# Altium PCB Tag_connect_otii_stlink_v02.PcbDoc
Units mm, origin at the board's own origin, x right, y up, seen from the top; angles counter-clockwise.
Board outline 75.85 x 70.65 mm, 2 copper layers (Top Layer, Bottom Layer); 34 components, 27 nets, 141 pads, 217 vias.
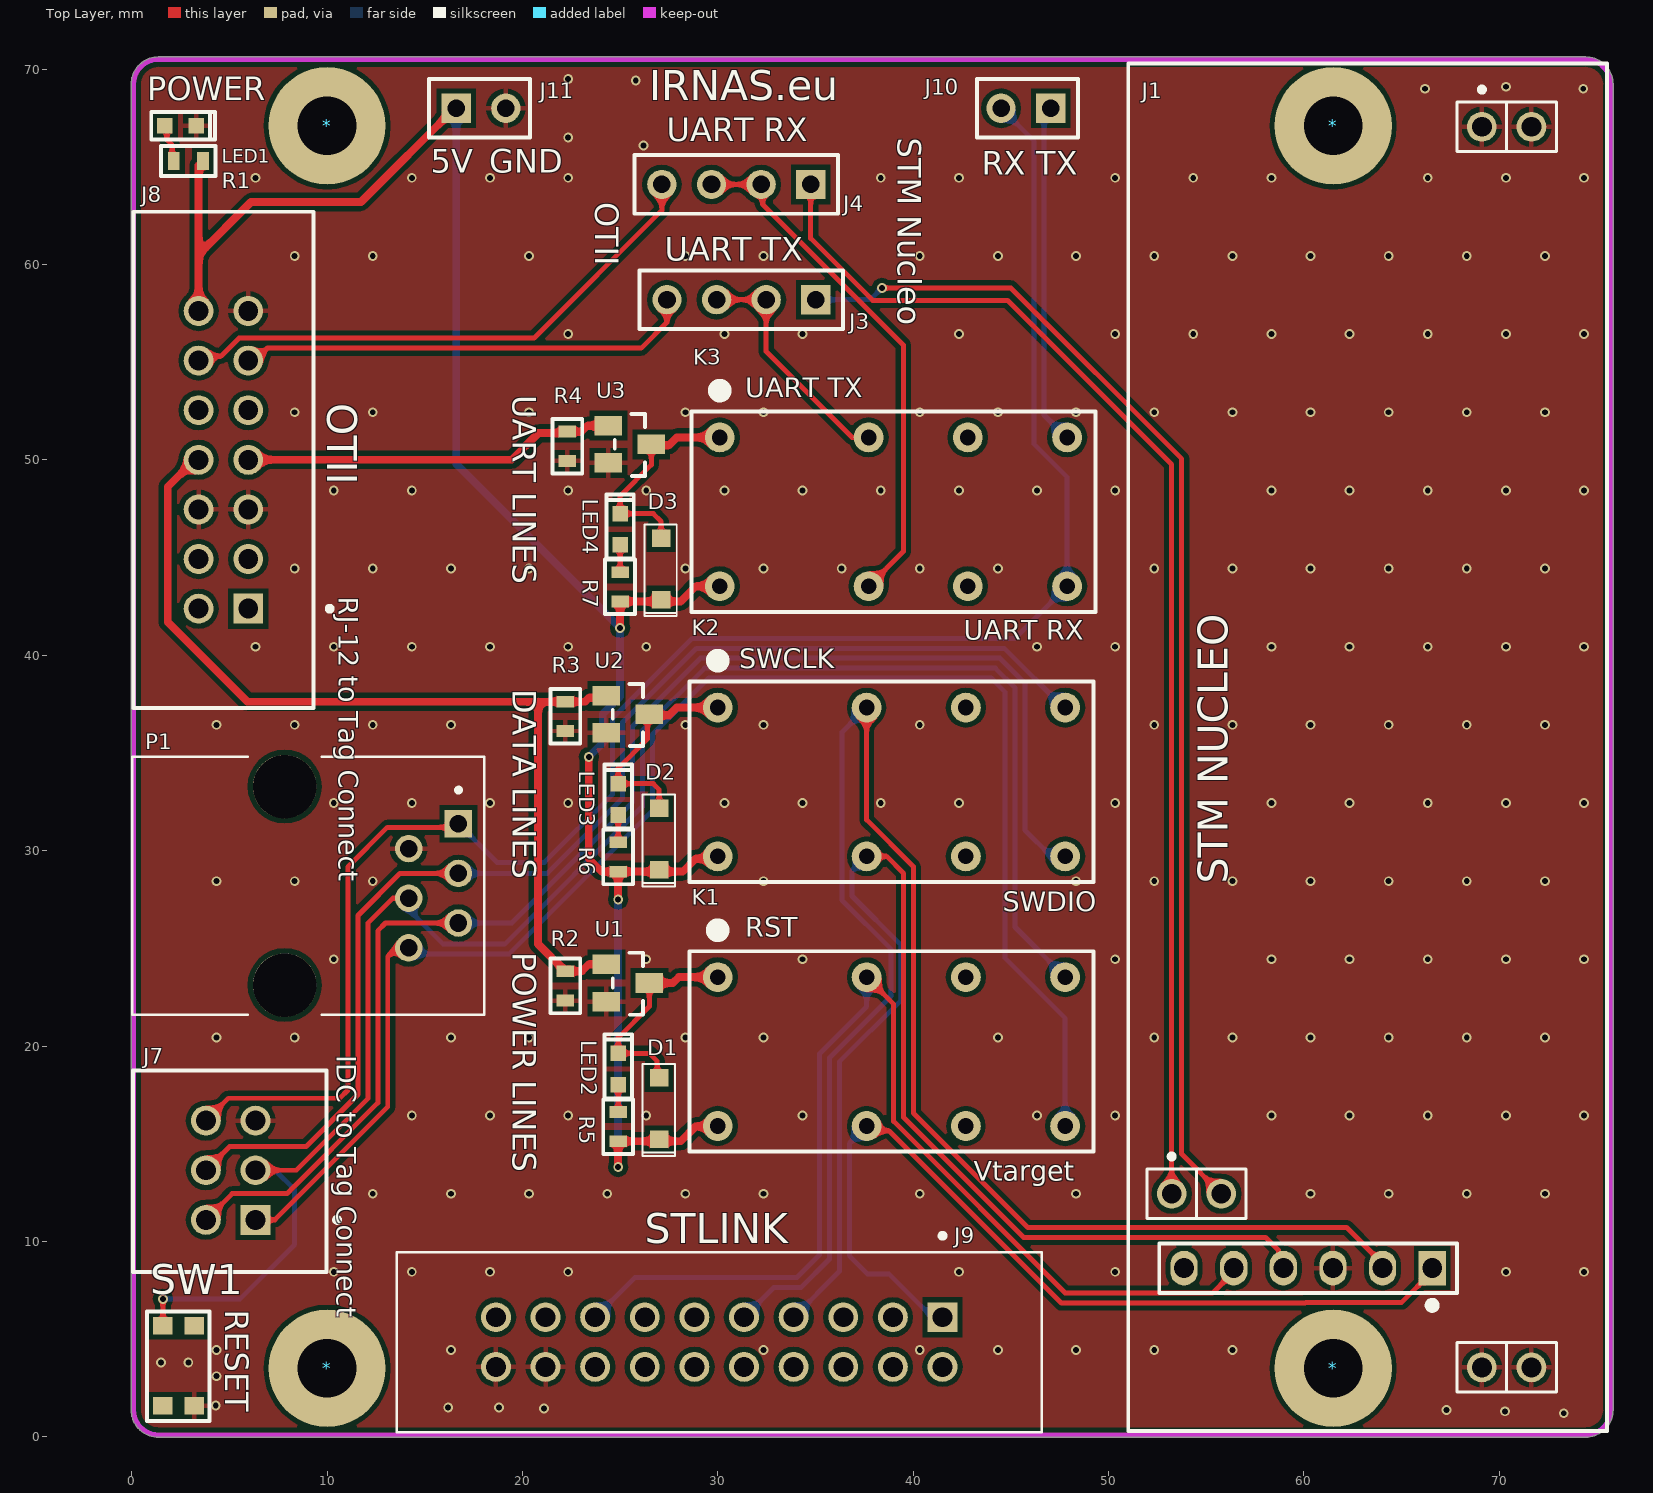
[diagram p0: Top Layer view]
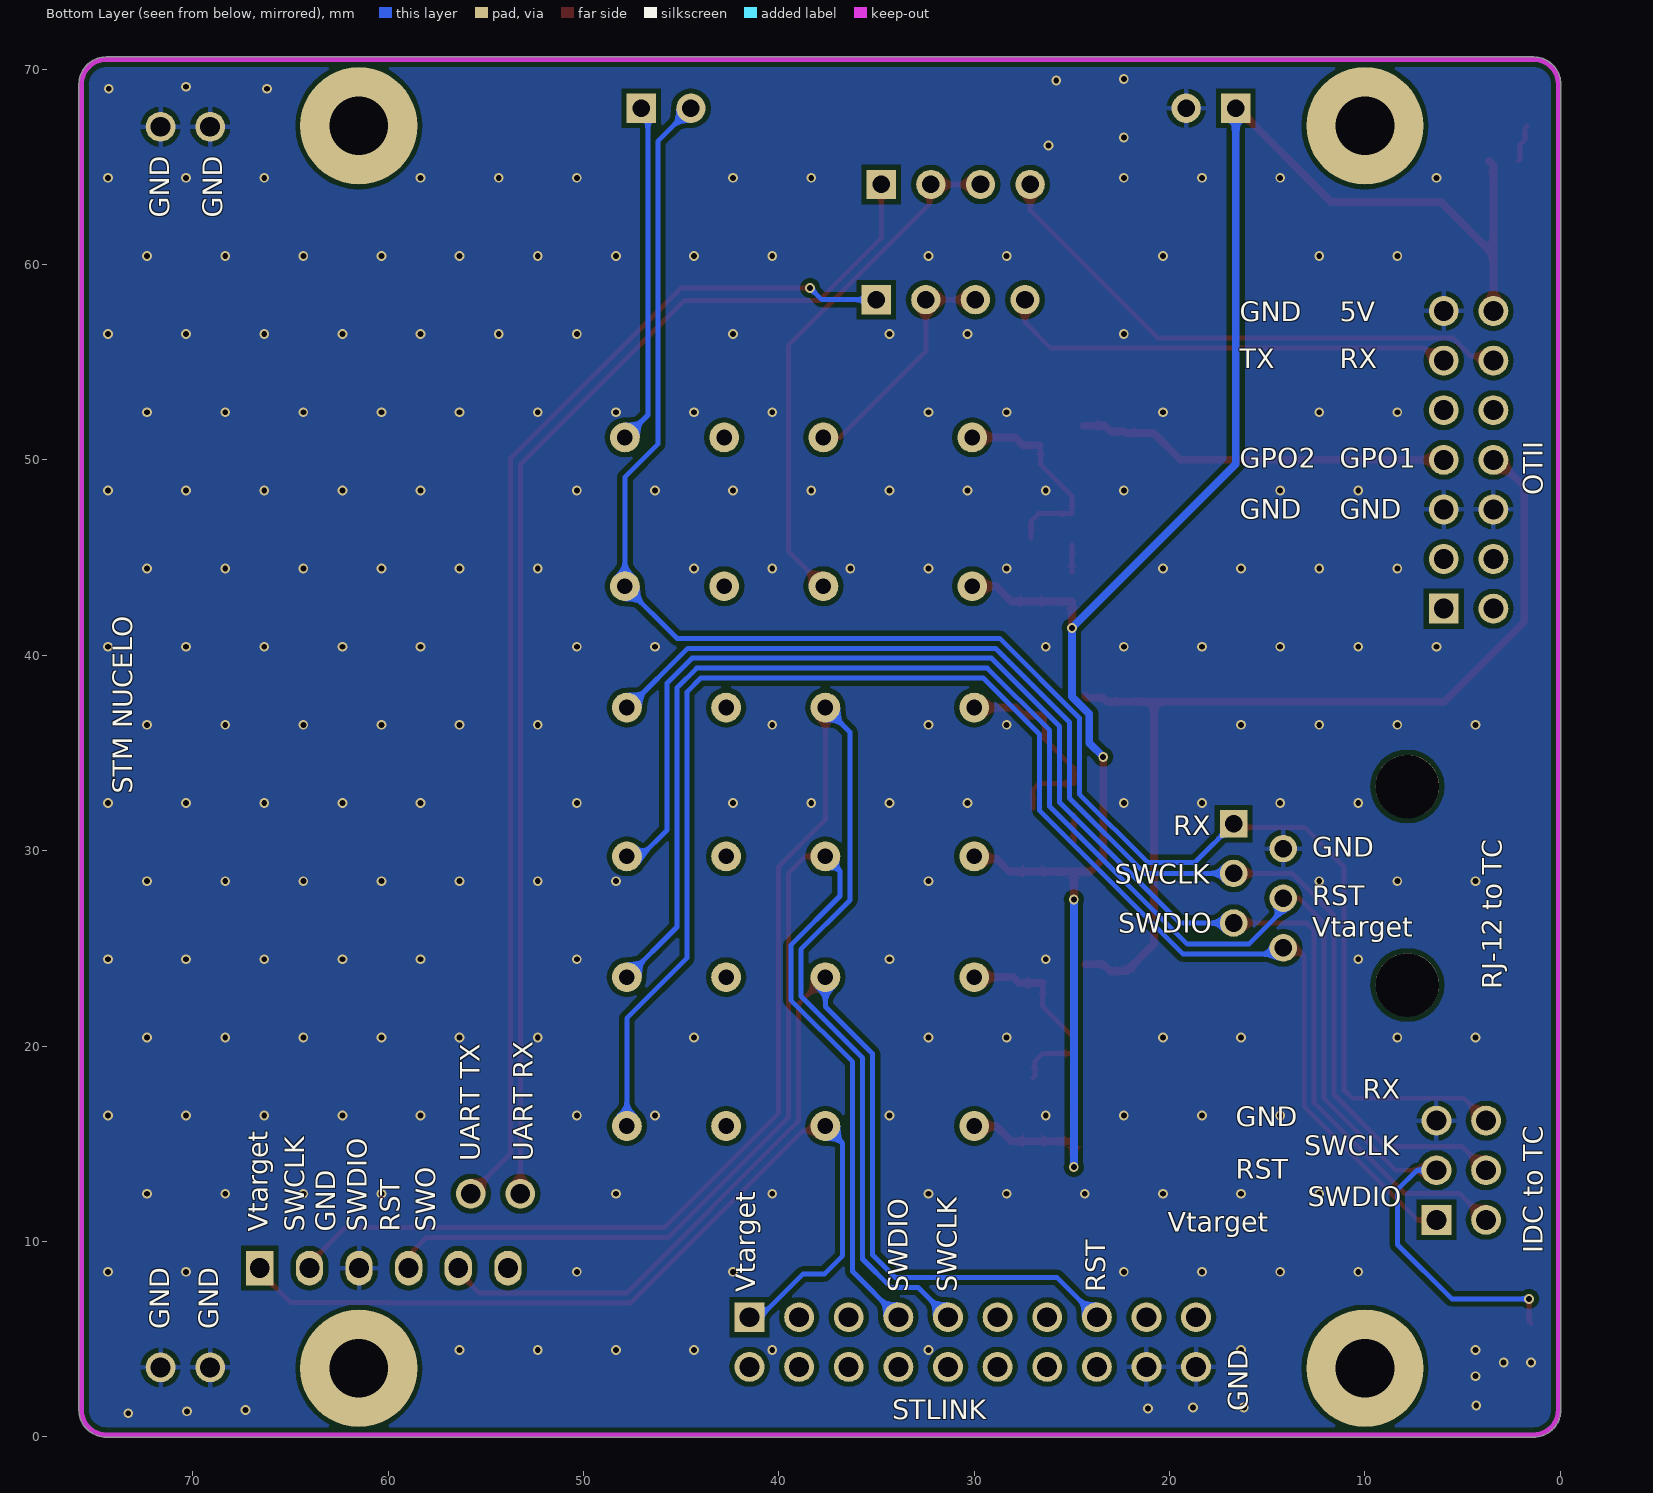
[diagram p1: Bottom Layer view, seen from below]

## Layer stack, top to bottom
Top Solder: solder mask 0.0102, Solder Resist, Dk 3.5
Top Layer: signal copper 0.0356
Dielectric 1: dielectric 0.32, FR-4, Dk 4.8
Bottom Layer: signal copper 0.0356
Bottom Solder: solder mask 0.0102, Solder Resist, Dk 3.5

## Board outline
-0.027,1.37 -0.027,69.23 cw(c1.37,69.23) 1.37,70.627 74.43,70.627 cw(c74.43,69.23) 75.827,69.23 75.827,1.37 cw(c74.43,1.37) 74.43,-0.027 1.37,-0.027 cw(c1.37,1.37)

## Design rules (kind name [scope] priority, off if disabled: settings)
Clearance [All] p1: gap=0.254 ignorepadtopadclearanceinfootprint=FALSE except(0: Arc-Hole Track-Hole SMDPad-Hole THPad-Hole Via-Hole Fill-Hole Poly-Hole Region-Hole Text-Hole)
ComponentClearance [All] p1: gap=0 collisioncheckmode=3 verticalgap=0 showdistances=FALSE
PolygonConnect [All] p1: thpad.connectstyle=Relief thpad.reliefconductorwidth=0.254 thpad.reliefentries=4 thpad.polygonreliefangle="90 Angle" thpad.airgapwidth=0.254 smdpad.connectstyle=Relief smdpad.reliefconductorwidth=0.254 smdpad.reliefentries=4 smdpad.polygonreliefangle="90 Angle" smdpad.airgapwidth=0.254 via.connectstyle=Direct via.reliefconductorwidth=0.254 via.reliefentries=4 via.polygonreliefangle="90 Angle" via.airgapwidth=0.254
RoutingVias [All] p1: holewidth=0.3 width=0.5 viastyle="Through Hole" minholewidth=0.3 minwidth=0.5 maxholewidth=0.3 maxwidth=0.5
SolderMaskExpansion [All] p1: expansion=0.102
Width [All] p1: maxlimit=0.254 minlimit=0.254 preferedwidth=0.254
29 further rules are at their usual default settings.

## Classes and differential pairs
component class "PAGE2 - STM NUCLEO OTII TC": * D1 D2 D3 J1 J4 J7 J8 J9 J10 J11 K1 K2 K3 LED1 LED2 LED3 LED4 P1 R1 R2 R3 R4 R5 R6 R7 SW1 U1 U2 U3

## Components (designator, comment, footprint, x,y, rotation, side; value= is the part's Value field where it differs from the comment)
* "Mounting hole 3.3 mm" MH_3.3#1 4,2.9 r0 top
* "Mounting hole 3.3 mm" MH_3.3#2 61.75,3.25 r0 top
* "Mounting hole 3.3 mm" MH_3.3#3 3.4,66.7 r0 top
* "Mounting hole 3.3 mm" MH_3.3#4 63.5,67.6 r0 top
D1 "1N4148W-7-F" 1N4148W-7-F 27,16.825 r90 top
D2 "1N4148W-7-F" 1N4148W-7-F 27,30.625 r90 top
D3 "1N4148W-7-F" 1N4148W-7-F 27.1,44.45 r90 top locked
J1 "STM Nucleo" "NUCLEO F4 HEADERS" 71.65,67.05 r270 top locked
J3 "Jumper" jumper4 35.02,58.2 r270 top
J4 "Jumper" jumper4 34.758,64.1 r270 top
J7 "IDC 6 pin" "IDC 6 pin" 5.07,13.64 r90 top
J8 "IDC 14 pin" "IDC 14 PIN" 4.695,50.005 r90 top
J9 "IDC 20 pin" "IDC 20 pin" 41.505,6.115 r180 top
J10 "2x1 header" "2 pin" 47.04,68 r270 top
J11 "2x1 header" "2 pin" 16.61,68 r90 top
K1 "G5V245DC" G5V245DC 38.89,19.715 r180 top
K2 "G5V245DC" G5V245DC 38.89,33.515 r180 top
K3 "G5V245DC" G5V245DC 38.99,47.34 r180 top locked
LED1 "GREEN" "LED 0603" 3.3,67.1 r180 top
LED2 "GREEN" "LED 0603" 24.9,19.625 r270 top
LED3 "GREEN" "LED 0603" 24.9,33.425 r270 top
LED4 "GREEN" "LED 0603" 25,47.25 r270 top locked
P1 "RJ12" RJ12 10.625,28.2 r270 top
R1 "220R" R0603 2.152,65.3 r0 top
R2 "100k" R0603 22.2,22.325 r90 top
R3 "100k" R0603 22.2,36.125 r90 top
R4 "100k" R0603 22.3,49.95 r90 top locked
R5 "220R" R0603 24.9,15.125 r90 top
R6 "220R" R0603 24.9,28.925 r90 top
R7 "220R" R0603 25,44.25 r270 top locked
SW1 "KMR211GLFS" Button 1.6,5.681 r270 top
U1 "BSS138" BSS138 25.4,23.225 r270 top
U2 "BSS138" BSS138 25.4,36.975 r270 top
U3 "BSS138" BSS138 25.5,50.8 r270 top locked

## Footprints (in the part's own frame and the unit in brackets; to place one, negate y for a bottom-side part, rotate by r counter-clockwise, add the part's x,y. Pads: shape width x height; smd on the part's side, far side on the other; paste and mask are expansions set on the pad)
1N4148W-7-F [mm]
  rect 0.9x0.95 smd: 1(-1.6,0) 2(1.55,0)
  silkscreen extent -2.45,-0.8 2.25,0.85, body extent -1.83,-0.8 1.88,0.8, height 1.27
"2 pin" [mm]
  rect 1.5x1.5 hole 0.9: 1(0,0)
  round 1.5 hole 0.9: 2(0,-2.54)
  silkscreen extent -1.5,-3.77 1.5,1.4, body extent -1.42,-3.77 1.5,1.31, height 8.51
BSS138 [mm]
  rect 1x1.4 smd: 1(-0.95,-1.1) 2(0.95,-1.1) 3(0,1.1)
  silkscreen extent -1.55,-0.77 1.63,0.78, body extent -1.42,-1.21 1.48,1.22, height 1.02
Button [mm]
  rect 0.9x1 smd: 1(0,0) 2(4.1,0) 3(4.1,1.6) 4(0,1.6)
  silkscreen extent -0.73,-0.82 4.87,2.38, body extent -0.25,-0.71 4.35,2.29, height 2.1
G5V245DC [mil]
  round 60 hole 31.5: 1(350,-150) 4(50,-150) 6(-150,-150) 8(-350,-150) 9(-350,150) 11(-150,150) 13(50,150) 16(350,150)
  silkscreen extent -407,-248 407,201, body extent -404,-197 403,196, height 453
"IDC 6 pin" [mm]
  rect 1.53x1.53 hole 1.02: 1(-2.54,-1.27)
  round 1.53 hole 1.02: 2(-2.54,1.27) 3(0,-1.27) 4(0,1.27) 5(2.54,-1.27) 6(2.54,1.27)
  silkscreen extent -5.2,-5.54 5.1,5, body extent -5.03,-4.88 4.94,4.87, height 10.95
"IDC 14 PIN" [mm]
  rect 1.53x1.53 hole 1.02: 1(-7.62,-1.27)
  round 1.53 hole 1.02: 2(-7.62,1.27) 3(-5.08,-1.27) 4(-5.08,1.27) 5(-2.54,-1.27) 6(-2.54,1.27) 7(0,-1.27) 8(0,1.27) 9(2.54,-1.27) 10(2.54,1.27) 11(5.08,-1.27) 12(5.08,1.27) 13(7.62,-1.27) 14(7.62,1.27)
  silkscreen extent -12.7,-5.54 12.7,4.61, body extent -12.7,-4.44 12.7,4.45, height 9.36
"IDC 20 pin" [mm]
  rect 1.53x1.53 hole 1.02: 1(0,0)
  round 1.53 hole 1.02: 2(0,2.54) 3(2.54,0) 4(2.54,2.54) 5(5.08,0) 6(5.08,2.54) 7(7.62,0) 8(7.62,2.54) 9(10.16,0) 10(10.16,2.54) 11(12.7,0) 12(12.7,2.54) 13(15.24,0) 14(15.24,2.54) 15(17.78,0) 16(17.78,2.54) 17(20.32,0) 18(20.32,2.54) 19(22.86,0) 20(22.86,2.54)
  silkscreen extent -5.08,-4.27 27.94,5.88, body extent -5.08,-3.3 27.94,5.92, height 9.1
jumper4 [mm]
  rect 1.5x1.5 hole 0.9: 1(0,0)
  round 1.5 hole 0.9: 2(0,-2.54) 3(0,-5.08) 4(0,-7.62)
  silkscreen extent -1.5,-9.03 1.5,1.4, body extent -1.46,-9.02 1.46,1.4, height 8.51
"LED 0603" [mm]
  rect 0.8x0.8 smd: 1(0,0) 2(1.6,0)
  silkscreen extent -0.98,-0.7 2.3,0.7, body extent -0.1,-0.4 1.6,0.4, height 0.65
MH_3.3#1 [mm]
  round 6 hole 3 unplated: 1(6,0.6)
MH_3.3#2 [mm]
  round 6 hole 3 unplated: 1(-0.25,0.25)
MH_3.3#3 [mm]
  round 6 hole 3 unplated: 1(6.6,0.4)
MH_3.3#4 [mm]
  round 6 hole 3 unplated: 1(-2,-0.5)
"NUCLEO F4 HEADERS" [mil]
  round 60 hole 40: 1(0,0) 2(0,-100) 3(2150,-625) 4(2150,-725) 11(2500,0) 12(2500,-100)
  rect 70x55 hole 40: 5(2300,-200)
  oval 70x55 hole 40: 6(2300,-300) 7(2300,-400) 8(2300,-500) 9(2300,-600) 10(2300,-700)
  silkscreen extent -128,-813 2628,152, body extent -126,-819 2630,203, height 404
R0603 [mm]
  rect 0.6x0.9 smd: 1(0,0) 2(1.5,0)
  silkscreen extent -0.65,-0.76 2.15,0.76, body extent -0.05,-0.43 1.55,0.41, height 0.7
RJ12 [mm]
  rect 1.408x1.408 hole 0.9: 1(-3.175,6.096)
  round 1.408 hole 0.9: 2(-1.905,3.556) 3(-0.635,6.096) 4(0.635,3.556) 5(1.905,6.096) 6(3.175,3.556)
  round 3.25 hole 3.25 unplated: None(-5.08,-2.794) None(5.08,-2.794)
  silkscreen extent -6.61,-10.59 6.61,7.43, body extent -6.61,-10.57 6.6,7.53, height 11.75

## Part data
* * * *: library part MH_3_3
D1 D2 D3: "DIODE GEN PURP 100V 300MA SOD123", Average Rectified Current=300mA, Capacitance=2pF, Current Rating=150mA, Forward Voltage=1.25V, Manufacturer=Diodes, Max Forward Surge Current (Ifsm)=2A, Max Operating Temperature=150°C, Max Repetitive Reverse Voltage (Vrrm)=100V, Min Operating Temperature=-65°C, Package Quantity=3000, Peak Reverse Current=1uA, Power Dissipation=400mW, Supplier Part Number 1=1776392, Voltage Rating (DC)=75V, ComponentLink1Description=https://www.diodes.com/assets/Datasheets/ds30086.pdf?src-supplier=Digi-Key, ComponentLink1URL=https://www.diodes.com/assets/Datasheets/ds30086.pdf?src-supplier=Digi-Key, ComponentLink2Description=http://www.farnell.com/datasheets/1915529.pdf?src-supplier=Element14, ComponentLink2URL=http://www.farnell.com/datasheets/1915529.pdf?src-supplier=Element14, ComponentLink3Description=https://www.diodes.com/assets/Datasheets/ds30086.pdf?src-supplier=Avnet, ComponentLink3URL=https://www.diodes.com/assets/Datasheets/ds30086.pdf?src-supplier=Avnet, ComponentLink4Description=http://www.mouser.com/ds/2/115/ds30086-60872.pdf?src-supplier=Mouser, ComponentLink4URL=http://www.mouser.com/ds/2/115/ds30086-60872.pdf?src-supplier=Mouser, ComponentLink5Description=https://www.diodes.com/assets/Datasheets/ds30086.pdf?src-supplier=Avnet+Europe, ComponentLink5URL=https://www.diodes.com/assets/Datasheets/ds30086.pdf?src-supplier=Avnet+Europe, ComponentLink6Description=https://www.diodes.com/assets/Datasheets/ds30086.pdf?src-supplier=Verical, ComponentLink6URL=https://www.diodes.com/assets/Datasheets/ds30086.pdf?src-supplier=Verical, Contact Plating=Tin,Matte, Element Configuration=Single, Forward Current=150mA, Height=1.25mm, Lead Free="Lead Free", Length=2.85mm, Manufacturer Part Number=1N4148W-7-F, Max Reverse Voltage (DC)=100V, Max Surge Current=2A, Mount="Surface Mount", Number of Pins=2, Output Current=150mA, Packaging="Tape and Reel", Peak Non-Repetitive Surge Current=2A, Polarity=Standard, Power Rating=400mW, Pricing 1="5=0.155, 25=0.151, 100=0.0525, 250=0.0496, 500=0.0474, 1000=0.0247, 5000=0.0213 (EUR)", Radiation Hardening=No, REACH SVHC="No SVHC", Recovery Time=4ns, Reverse Recovery Time=4ns, Stock 1=994731, Supplier 1=Farnell, Voltage=100V, Weight=0.000353oz, Width=1.7mm
J3 J4: library part Jumper_1, "4 pin jumper"
J7: library part 90130-1206, "Headers & Wire Housings 2.54MM CGRIDIII HDR 6P V DR SHRD AU-E", Color=Black, Contact Resistance=20mR, Current Rating=3A, Insulation Resistance=5GR, Manufacturer=Molex, Max Current Rating=3.9A, Max Operating Temperature=125°C, Max Voltage Rating (AC)=500V, Max Voltage Rating (DC)=350.35kV, Min Operating Temperature=-55°C, Package Quantity=2560, Supplier Part Number 1=9733884, Voltage Rating=350V, ComponentLink1Description=http://www.mouser.com/ds/2/276/0901301206_PCB_HEADERS-151694.pdf?src-supplier=Mouser, ComponentLink1URL=http://www.mouser.com/ds/2/276/0901301206_PCB_HEADERS-151694.pdf?src-supplier=Mouser, ComponentLink2Description=http://www.jameco.com/Jameco/Products/ProdDS/1978810.pdf?src-supplier=Jameco, ComponentLink2URL=http://www.jameco.com/Jameco/Products/ProdDS/1978810.pdf?src-supplier=Jameco, ComponentLink3Description=http://www.molex.com/webdocs/datasheets/pdf/en-us/0901301206_PCB_HEADERS.pdf?src-supplier=Avnet+Europe, ComponentLink3URL=http://www.molex.com/webdocs/datasheets/pdf/en-us/0901301206_PCB_HEADERS.pdf?src-supplier=Avnet+Europe, ComponentLink4Description=http://www.molex.com/webdocs/datasheets/pdf/en-us/0901301206_PCB_HEADERS.pdf?src-supplier=Avnet, ComponentLink4URL=http://www.molex.com/webdocs/datasheets/pdf/en-us/0901301206_PCB_HEADERS.pdf?src-supplier=Avnet, ComponentLink5Description=http://uk.rs-online.com/webdocs/13c4/0900766b813c4c7b.pdf?src-supplier=RSComponents, ComponentLink5URL=http://uk.rs-online.com/webdocs/13c4/0900766b813c4c7b.pdf?src-supplier=RSComponents, Contact Gender=Male, Contact Material=Brass,Bronze,Copper, Contact Plating=Gold, Depth=3.94mm, Gender=Male, Glow Wire Compliant=Non-compliant, Height=4.7mm, Housing Color=Black, Housing Material=Polyester, Lead Free="Lead Free", Lead Pitch=2.54mm, Length=8mm, Manufacturer Part Number=90130-1206, Material=Glass,Polyester, Mount="Through Hole", Number of Circuits=6, Number of Contacts=6, Number of Poles=6, Number of Positions=6, Number of Rows=2, Orientation=Vertical, Packaging=Tray, Pitch=2.54mm, Pricing 1="1=1.07, 50=1, 100=0.934, 250=0.84, 500=0.775, 1000=0.619 (EUR)", Radiation Hardening=No, REACH SVHC=Unknown, Row Spacing=2.54mm, Stock 1=1896, Supplier 1=Farnell, Termination=Solder, Voltage Rating (AC)=350V, Voltage Rating (DC)=350V, Working Voltage=350V
J8: library part 70246-1404, "Conn Shrouded Header (4 Sides) HDR 14 POS 2.54mm Solder ST Thru-Hole C-Grid® Frame", Current Rating=2.5A, Flammability Rating="UL94 V-0", Manufacturer=Molex, Max Operating Temperature=120°C, Max Voltage Rating (DC)=250V, Min Operating Temperature=-55°C, Supplier Part Number 1=1392520, ComponentLink1Description=http://www.farnell.com/datasheets/2051710.pdf?src-supplier=Element14, ComponentLink1URL=http://www.farnell.com/datasheets/2051710.pdf?src-supplier=Element14, ComponentLink2Description=http://www.molex.com/webdocs/datasheets/pdf/en-us/0702461404_PCB_HEADERS.pdf?src-supplier=Avnet, ComponentLink2URL=http://www.molex.com/webdocs/datasheets/pdf/en-us/0702461404_PCB_HEADERS.pdf?src-supplier=Avnet, ComponentLink3Description=http://uk.rs-online.com/webdocs/13c4/0900766b813c492f.pdf?src-supplier=RSComponents, ComponentLink3URL=http://uk.rs-online.com/webdocs/13c4/0900766b813c492f.pdf?src-supplier=RSComponents, ComponentLink4Description=http://www.mouser.com/ds/2/276/0702461404_PCB_HEADERS-172392.pdf?src-supplier=Mouser, ComponentLink4URL=http://www.mouser.com/ds/2/276/0702461404_PCB_HEADERS-172392.pdf?src-supplier=Mouser, ComponentLink5Description=http://www.molex.com/webdocs/datasheets/pdf/en-us/0702461404_PCB_HEADERS.pdf?src-supplier=Avnet+Europe, ComponentLink5URL=http://www.molex.com/webdocs/datasheets/pdf/en-us/0702461404_PCB_HEADERS.pdf?src-supplier=Avnet+Europe, Contact Gender=Male, Contact Material=Bronze,Gold, Contact Mating Length=6.1mm, Contact Plating=Gold,Tin, Contact Post Length=3.43mm, ELV=Compliant, Gender=Male, Glow Wire Compliant=Non-compliant, Housing Material=Polyester, Manufacturer Part Number=70246-1404, Mount="Through Hole", Number of Circuits=14, Number of Contacts=14, Number of Positions=14, Number of Rows=2, Orientation=Vertical, Packaging=Tray, Pitch=2.54mm, Pricing 1="1=1.55, 50=1.48, 100=1.42, 250=1.29, 500=1.17, 1000=0.966 (EUR)", Radiation Hardening=No, REACH SVHC=Unknown, Row Spacing=2.54mm, Stock 1=3001, Supplier 1=Farnell, Termination=Solder, Voltage Rating=250V, Voltage Rating (DC)=250V
J9: library part 70246-2004, "Headers & Wire Housings 2.54mm CGrid Hdr Shr d /Slt .13AuLF 20Ckt", Current Rating=2.5A, Flammability Rating="UL94 V-0", Manufacturer=Molex, Max Operating Temperature=120°C, Max Voltage Rating (DC)=250V, Min Operating Temperature=-55°C, Package Quantity=720, Supplier Part Number 1=1392410, ComponentLink1Description=http://www.farnell.com/datasheets/2051704.pdf?src-supplier=Element14, ComponentLink1URL=http://www.farnell.com/datasheets/2051704.pdf?src-supplier=Element14, ComponentLink2Description=http://www.mouser.com/ds/2/276/0702462004_PCB_HEADERS-150189.pdf?src-supplier=Mouser, ComponentLink2URL=http://www.mouser.com/ds/2/276/0702462004_PCB_HEADERS-150189.pdf?src-supplier=Mouser, ComponentLink3Description=http://www.molex.com/webdocs/datasheets/pdf/en-us/0702462004_PCB_HEADERS.pdf?src-supplier=Avnet+Europe, ComponentLink3URL=http://www.molex.com/webdocs/datasheets/pdf/en-us/0702462004_PCB_HEADERS.pdf?src-supplier=Avnet+Europe, ComponentLink4Description=http://www.molex.com/webdocs/datasheets/pdf/en-us/0702462004_PCB_HEADERS.pdf?src-supplier=Avnet, ComponentLink4URL=http://www.molex.com/webdocs/datasheets/pdf/en-us/0702462004_PCB_HEADERS.pdf?src-supplier=Avnet, ComponentLink5Description=http://uk.rs-online.com/webdocs/13c4/0900766b813c4938.pdf?src-supplier=RSComponents, ComponentLink5URL=http://uk.rs-online.com/webdocs/13c4/0900766b813c4938.pdf?src-supplier=RSComponents, Contact Material=Gold,Bronze, Contact Plating=Gold, ELV=Compliant, Gender=Male, Glow Wire Compliant=Non-compliant, Manufacturer Part Number=70246-2004, Mount="Through Hole", Number of Circuits=20, Number of Contacts=20, Number of Positions=20, Number of Rows=2, Orientation=Vertical, Packaging=Tray, Pitch=2.54mm, Pricing 1="1=1.62, 50=1.52, 100=1.41, 250=1.28, 500=1.17, 1000=0.943 (EUR)", Radiation Hardening=No, REACH SVHC=Unknown, Stock 1=2985, Supplier 1=Farnell, Termination=Solder, Voltage Rating=250V, Voltage Rating (DC)=250V
J10 J11: library part "2 pin header"
K1 K2 K3: "OMRON ELECTRONIC COMPONENTS         G5V-2 4.5DC            Signal Relay, G5V-2 Series, DPDT, 4.5 VDC, 2 A, Through Hole, Non Latching", Coil Power=500mW, Coil Resistance=40R, Coil Voltage (DC)=4.5V, Contact Current Rating=2A, Manufacturer=Omron, Max Operating Temperature=65°C, Min Operating Temperature=-25°C, Supplier Part Number 1=9949810, Coil Type=Non-Latching, ComponentLink1Description=http://www.farnell.com/datasheets/724502.pdf?src-supplier=Element14, ComponentLink1URL=http://www.farnell.com/datasheets/724502.pdf?src-supplier=Element14, ComponentLink2Description=https://www.distrelec.biz/Web/Downloads/_t/ds/g5v2_eng_tds.pdf?mime=application%2Fpdf&src-supplier=Distrelec, ComponentLink2URL=https://www.distrelec.biz/Web/Downloads/_t/ds/g5v2_eng_tds.pdf?mime=application%2Fpdf&src-supplier=Distrelec, Contact Material=Silver,Gold, Depth=10.1mm, Height=11.5mm, Length=20.5mm, Manufacturer Part Number=G5V245DC, Mount=PCB, Pricing 1="1=1.89, 25=1.76, 50=1.24, 250=1.14, 500=1.12 (EUR)", REACH SVHC=Unknown, Stock 1=337, Supplier 1=Farnell, Switching Current=2A, Termination="Through Hole"
LED1 LED2 LED3 LED4: library part KP-1608CGCK, "KINGBRIGHT - KP-1608CGCK - LED, 0603, 50MCD, GREEN", Case/Package=1608, Color=Green, Forward Current=20mA, Forward Voltage=2.1V, Lens Color=Clear, Manufacturer=Kingbright, Supplier Part Number 1=2290328, ComponentLink1Description=http://www.farnell.com/datasheets/2045956.pdf?src-supplier=Element14, ComponentLink1URL=http://www.farnell.com/datasheets/2045956.pdf?src-supplier=Element14, ComponentLink2Description=http://www.rapidonline.com/pdf/72-8670.pdf?src-supplier=Rapid+Electronics, ComponentLink2URL=http://www.rapidonline.com/pdf/72-8670.pdf?src-supplier=Rapid+Electronics, Dominant Wavelength=570nm, Height=1.1mm, Length=0.8mm, Lens Style=Rectangular,Diffused,Colorless, Luminous Intensity=50mcd, Manufacturer Part Number=KP-1608CGCK, Mount="Surface Mount", Number of LEDs=1, Number of Pins=2, Packaging="Tape and Reel", Pricing 1="5=0.157, 50=0.143, 100=0.0934, 500=0.0789, 1000=0.0621 (EUR)", Radiation Hardening=No, REACH SVHC="No SVHC", Stock 1=18535, Supplier 1=Farnell, Viewing Angle=120°, Wavelength=570nm, Width=1.6mm
P1: library part 95501-2661, "MODULAR, JACK, THT, R/A, RJ11, 6P6C", Color=Black, Current Rating=1.5A, Flammability Rating="UL94 V-0", Insulation Resistance=500MR, Manufacturer=Molex, Max Operating Temperature=80°C, Max Voltage Rating (DC)=125V, Min Operating Temperature=-40°C, Package Quantity=3276, Supplier Part Number 1=1536490, Approvals=UL, ComponentLink1Description=http://uk.rs-online.com/webdocs/13c4/0900766b813c4eac.pdf?src-supplier=RSComponents, ComponentLink1URL=http://uk.rs-online.com/webdocs/13c4/0900766b813c4eac.pdf?src-supplier=RSComponents, ComponentLink2Description=http://www.farnell.com/cad/1597654.pdf?src-supplier=Element14, ComponentLink2URL=http://www.farnell.com/cad/1597654.pdf?src-supplier=Element14, ComponentLink3Description=http://www.mouser.com/ds/2/276/0955012661_MODULAR_JACKS_PLUG-177638.pdf?src-supplier=Mouser, ComponentLink3URL=http://www.mouser.com/ds/2/276/0955012661_MODULAR_JACKS_PLUG-177638.pdf?src-supplier=Mouser, ComponentLink4Description=http://www.onlinecomponents.com/productFiles/mf-MOL/360890955012661_modular_jacks_plug.pdf?src-supplier=Onlinecomponents.com, ComponentLink4URL=http://www.onlinecomponents.com/productFiles/mf-MOL/360890955012661_modular_jacks_plug.pdf?src-supplier=Onlinecomponents.com, Contact Material="Copper Alloy,Bronze", Contact Plating=Gold, Depth=18.1mm, Gender=Female, Halogen Free="Low Halogen", Housing Material=Thermoplastic, Insulation Material=Polyester, Lead Free="Lead Free", Length=13.21mm, Manufacturer Part Number=95501-2661, Mount="Through Hole", Number of Contacts=6, Number of Ports=1, Number of Positions=6, Orientation="Right Angle", Packaging=Tray, Pitch=2.54mm, Pricing 1="10=0.565, 100=0.492, 500=0.443, 1000=0.394, 2500=0.356, 5000=0.344 (EUR)", REACH SVHC=Unknown, Shielding=Unshielded, Stock 1=7441, Supplier 1=Farnell, Termination="Through Hole", Voltage Rating (DC)=125V, Width=11.5mm
R1 R5 R6 R7: library part CRCW0603220RFKEA, "RES SMD 220 OHM 1% 1/10W 0603", Case/Package=0603, Case Code (Metric)=1608, Manufacturer=Vishay, Max Operating Temperature=155°C, Max Power Dissipation=100mW, Min Operating Temperature=-55°C, Package Quantity=10, Supplier Part Number 1=541-220HTR-ND, Temperature Coefficient=100ppm/°C, Tolerance=1%, Voltage Rating=75V, Case Code (Imperial)=0603, ComponentLink1Description=http://www.vishay.com/docs/20035/dcrcwe3.pdf?src-supplier=Digi-Key, ComponentLink1URL=http://www.vishay.com/docs/20035/dcrcwe3.pdf?src-supplier=Digi-Key, ComponentLink2Description=http://www.mouser.com/ds/2/427/dcrcwe3-109170.pdf?src-supplier=Mouser, ComponentLink2URL=http://www.mouser.com/ds/2/427/dcrcwe3-109170.pdf?src-supplier=Mouser, ComponentLink3Description=http://www.farnell.com/datasheets/2045673.pdf?src-supplier=Element14, ComponentLink3URL=http://www.farnell.com/datasheets/2045673.pdf?src-supplier=Element14, ComponentLink4Description=http://www.vishay.com/docs/20035/dcrcwe3.pdf?src-supplier=Avnet, ComponentLink4URL=http://www.vishay.com/docs/20035/dcrcwe3.pdf?src-supplier=Avnet, ComponentLink5Description=http://www.vishay.com/docs/20035/dcrcwe3.pdf?src-supplier=Future+Electronics, ComponentLink5URL=http://www.vishay.com/docs/20035/dcrcwe3.pdf?src-supplier=Future+Electronics, ComponentLink6Description=http://uk.rs-online.com/webdocs/0d98/0900766b80d98afc.pdf?src-supplier=RSComponents, ComponentLink6URL=http://uk.rs-online.com/webdocs/0d98/0900766b80d98afc.pdf?src-supplier=RSComponents, ComponentLink7Description=https://www.alliedelec.com/m/d/0c934d6939ccefa68dbe0b96d821c8cf.pdf?src-supplier=Allied+Electronics, ComponentLink7URL=https://www.alliedelec.com/m/d/0c934d6939ccefa68dbe0b96d821c8cf.pdf?src-supplier=Allied+Electronics, ComponentLink8Description=https://www.verical.com/server-webapp/html/getDatasheet?partID=45816&src-supplier=Verical, ComponentLink8URL=https://www.verical.com/server-webapp/html/getDatasheet?partID=45816&src-supplier=Verical, ComponentLink9Description=http://www.vishay.com/docs/20035/dcrcwe3.pdf?src-supplier=Avnet+Europe, ComponentLink9URL=http://www.vishay.com/docs/20035/dcrcwe3.pdf?src-supplier=Avnet+Europe, ComponentLink10Description=https://www.distrelec.biz/Web/Downloads/a_/en/flD-CRCW-e3_data_en.pdf?mime=application%2Fpdf&src-supplier=Distrelec, ComponentLink10URL=https://www.distrelec.biz/Web/Downloads/a_/en/flD-CRCW-e3_data_en.pdf?mime=application%2Fpdf&src-supplier=Distrelec, ComponentLink11Description=http://www.farnell.com/datasheets/2111203.pdf?src-supplier=Element14, ComponentLink11URL=http://www.farnell.com/datasheets/2111203.pdf?src-supplier=Element14, Composition="Thick Film", Contact Plating=Tin, Depth=0.85mm, Features="Automotive AEC-Q200", Height=0.45mm, Lead Free="Lead Free", Length=1.55mm, Manufacturer Part Number=CRCW0603220RFKEA, Military Standard=Not, Number of Terminations=2, Packaging="Tape and Reel", Power Rating=100mW, Radiation Hardening=No, REACH SVHC=Unknown, Resistance=220R, Stock 1=0, Supplier 1=Digi-Key, Termination=SMD/SMT, Voltage Rating (DC)=75V, Weight=7.1E-05oz, Width=0.033inch
R2 R3 R4: library part CPF-A-0603B100KE1, "TE CONNECTIVITY         CPF-A-0603B100KE1             SMD Chip Resistor, Thin Film, 100 kohm, 50 V, 0603 [1608 Metric], 62.5 mW,  0.1%, CPF-A Series", Case/Package=0603, Case Code (Metric)=1608, Manufacturer="TE Connectivity", Max Operating Temperature=155°C, Max Power Dissipation=63mW, Min Operating Temperature=-55°C, Number of Resistors=1, Resistance=100kR, Supplier Part Number 1=2483881, Temperature Coefficient=25ppm/°C, Tolerance=0.1%, Voltage Rating=50V, Case Code (Imperial)=0603, Composition="Thin Film", ELV=Compliant, Features="Moisture Resistant,Automotive AEC-Q200,Anti-Sulfur", Manufacturer Part Number=CPF-A-0603B100KE1, Mount="Surface Mount", Number of Terminations=2, Packaging="Tape and Reel", Power Rating=63mW, Pricing 1="1=0.378, 50=0.279, 100=0.21, 250=0.199, 500=0.173, 1000=0.137, 5000=0.111 (EUR)", REACH SVHC="No SVHC", Stock 1=5473, Supplier 1=Farnell, Termination=Solder, Voltage Rating (DC)=50V
SW1: "SWITCH TACTILE SPST-NO 0.05A 32V", Contact Current Rating=50mA, Manufacturer="ITT C&K", Max Operating Temperature=85°C, Max Voltage Rating (DC)=32V, Min Operating Temperature=-40°C, Operating Force=1.2N, Package Quantity=1, Power Rating=1W, Supplier Part Number 1=1437635RL, Actuator Length=0.5mm, Actuator Type=Standard, ComponentLink1Description=http://uk.rs-online.com/webdocs/129c/0900766b8129c9f0.pdf?src-supplier=RSComponents, ComponentLink1URL=http://uk.rs-online.com/webdocs/129c/0900766b8129c9f0.pdf?src-supplier=RSComponents, ComponentLink2Description=http://www1.futureelectronics.com/doc/C%20-%20K%20COMPONENTS/KMR211GLFS.pdf?src-supplier=Future+Electronics, ComponentLink2URL=http://www1.futureelectronics.com/doc/C%20-%20K%20COMPONENTS/KMR211GLFS.pdf?src-supplier=Future+Electronics, ComponentLink3Description=http://www.farnell.com/datasheets/2044619.pdf?src-supplier=Element14, ComponentLink3URL=http://www.farnell.com/datasheets/2044619.pdf?src-supplier=Element14, ComponentLink4Description=http://www.ck-components.com/14414/kmr2_9aug12.pdf/?src-supplier=Avnet, ComponentLink4URL=http://www.ck-components.com/14414/kmr2_9aug12.pdf/?src-supplier=Avnet, ComponentLink5Description=http://www.ck-components.com/14414/kmr2_9aug12.pdf/?src-supplier=Avnet+Europe, ComponentLink5URL=http://www.ck-components.com/14414/kmr2_9aug12.pdf/?src-supplier=Avnet+Europe, ComponentLink6Description=https://www.ckswitches.com/media/1479/kmr2.pdf?src-supplier=Digi-Key, ComponentLink6URL=https://www.ckswitches.com/media/1479/kmr2.pdf?src-supplier=Digi-Key, ComponentLink7Description=http://www.ckswitches.com/media/1479/kmr2.pdf?src-supplier=Onlinecomponents.com, ComponentLink7URL=http://www.ckswitches.com/media/1479/kmr2.pdf?src-supplier=Onlinecomponents.com, Contact Material=Silver, Contact Plating=Silver, Current Rating=50mA, Depth=4.6mm, Illumination Type=Non-Illuminated,Illuminated, Lead Free="Lead Free", Length=2.8mm, Manufacturer Part Number=KMR211GLFS, Max Current Rating=50mA, Mechanical Life=200000Cycles, Mount="Surface Mount", Orientation=Straight, Packaging="Tape and Reel", Radiation Hardening=No, REACH SVHC="No SVHC", Stock 1=0, Supplier 1=Farnell, Switch Function=Off-Mom, Switch Travel=0.2mm, Termination="Gull Wing", Throw Configuration=SPST, Voltage Rating (DC)=32V, Width=2.8mm
U1 U2 U3: "MOSFET N-CH 50V 220MA SOT-23", Case/Package=SOT-23, Continuous Drain Current (ID)=220mA, Drain to Source Breakdown Voltage=50V, Drain to Source Resistance=3.5R, Gate to Source Voltage (Vgs)=20V, Input Capacitance=27pF, Manufacturer="ON Semiconductor / Fairchild", Max Operating Temperature=150°C, Max Power Dissipation=360mW, Min Operating Temperature=-55°C, On-State Resistance=6R, Package Quantity=1, Supplier Part Number 1=9845330, Threshold Voltage=1.3V, ComponentLink1Description=https://www.fairchildsemi.com/package-drawings/MA/MA03B.pdf?src-supplier=Digi-Key, ComponentLink1URL=https://www.fairchildsemi.com/package-drawings/MA/MA03B.pdf?src-supplier=Digi-Key, ComponentLink2Description=http://www.farnell.com/datasheets/2163920.pdf?src-supplier=Element14, ComponentLink2URL=http://www.farnell.com/datasheets/2163920.pdf?src-supplier=Element14, ComponentLink3Description=http://www.farnell.com/datasheets/2304519.pdf?src-supplier=Newark, ComponentLink3URL=http://www.farnell.com/datasheets/2304519.pdf?src-supplier=Newark, ComponentLink4Description=https://www.fairchildsemi.com/datasheets/BS/BSS138.pdf?src-supplier=Avnet, ComponentLink4URL=https://www.fairchildsemi.com/datasheets/BS/BSS138.pdf?src-supplier=Avnet, ComponentLink5Description=http://www.farnell.com/datasheets/193736.pdf?src-supplier=Element14, ComponentLink5URL=http://www.farnell.com/datasheets/193736.pdf?src-supplier=Element14, ComponentLink6Description=http://www.fairchildsemi.com/ds/BS/BSS138.pdf?src-supplier=Future+Electronics, ComponentLink6URL=http://www.fairchildsemi.com/ds/BS/BSS138.pdf?src-supplier=Future+Electronics, ComponentLink7Description=http://www.jameco.com/Jameco/Products/ProdDS/784896.pdf?src-supplier=Jameco, ComponentLink7URL=http://www.jameco.com/Jameco/Products/ProdDS/784896.pdf?src-supplier=Jameco, ComponentLink8Description=http://www.fairchildsemi.com/ds/BS/BSS138.pdf?src-supplier=Avnet+Europe, ComponentLink8URL=http://www.fairchildsemi.com/ds/BS/BSS138.pdf?src-supplier=Avnet+Europe, Contact Plating=Tin,Matte, Current Rating=220mA, Drain to Source Voltage (Vdss)=50V, Dual Supply Voltage=50V, Element Configuration=Single, Fall Time=9ns, Height=0.93mm, Lead Free="Lead Free", Length=2.92mm, Manufacturer Part Number=BSS138, Mount="Surface Mount", Nominal Vgs=1.3V, Number of Elements=1, Number of Pins=3, Packaging="Tape and Reel", Power Dissipation=360mW, Pricing 1="5=0.286, 50=0.261, 100=0.143, 500=0.0495, 1500=0.0464 (EUR)", Radiation Hardening=No, Rds On Max=3.5R, REACH SVHC="No SVHC", Rise Time=9ns, Stock 1=727806, Supplier 1=Farnell, Termination=SMD/SMT, Turn-Off Delay Time=20ns, Turn-On Delay Time=2.5ns, Voltage Rating (DC)=50V, Weight=0.03g, Width=1.3mm

## Via types
v1: diameter 0.5, hole 0.3, Top Layer to Bottom Layer, tented both sides, 217 vias

## Nets (pads, with @x,y where several pads share a name; then routed paths per layer and width w, separated by ;. In a path a pad name is that pad's centre, name@x,y a point inside that pad or via, vN(x,y) a via of type N, cw(c..) or ccw(c..) an arc to the next point about the centre after c; other vN are vias at no path point)
GND: J1.1 J1.2 J1.7 J1.11 J1.12 J7.5 J8.5 J8.6 J8.13 J9.18 J9.20 J11.2 LED1.1 P1.2 R2.1 R3.1 R4.1 SW1.3 U1.2 U2.2 U3.2
  other v1: 73.3,1.2 70.3,1.3 67.3,1.37 21.1,1.448 16.2,1.5 18.8,1.5 4.3,1.6 4.341,3.1 1.5,3.8 2.9,3.8 4.341,4.439 16.341,4.439 32.341,4.439 40.341,4.439 44.341,4.439 48.341,4.439 52.341,4.439 56.341,4.439 10.341,8.439 14.341,8.439 18.341,8.439 22.341,8.439 42.341,8.439 50.341,8.439 70.341,8.439 74.341,8.439 12.341,12.439 16.341,12.439 20.341,12.439 24.341,12.439 28.341,12.439 32.341,12.439 40.341,12.439 48.341,12.439 60.341,12.439 64.341,12.439 68.341,12.439 72.341,12.439 14.341,16.439 18.341,16.439 22.341,16.439 26.341,16.439 34.341,16.439 46.341,16.439 50.341,16.439 58.341,16.439 62.341,16.439 66.341,16.439 70.341,16.439 74.341,16.439 4.341,20.439 8.341,20.439 16.341,20.439 20.341,20.439 28.341,20.439 32.341,20.439 44.341,20.439 52.341,20.439 56.341,20.439 60.341,20.439 64.341,20.439 68.341,20.439 72.341,20.439 10.341,24.439 26.341,24.439 34.341,24.439 50.341,24.439 58.341,24.439 62.341,24.439 66.341,24.439 70.341,24.439 74.341,24.439 4.341,28.439 8.341,28.439 12.341,28.439 32.341,28.439 48.341,28.439 52.341,28.439 56.341,28.439 60.341,28.439 64.341,28.439 68.341,28.439 72.341,28.439 10.341,32.439 14.341,32.439 18.341,32.439 22.341,32.439 30.341,32.439 34.341,32.439 38.341,32.439 42.341,32.439 50.341,32.439 58.341,32.439 62.341,32.439 66.341,32.439 70.341,32.439 74.341,32.439 4.341,36.439 8.341,36.439 12.341,36.439 16.341,36.439 28.341,36.439 32.341,36.439 40.341,36.439 52.341,36.439 56.341,36.439 60.341,36.439 64.341,36.439 68.341,36.439 72.341,36.439 6.341,40.439 10.341,40.439 14.341,40.439 18.341,40.439 22.341,40.439 26.341,40.439 46.341,40.439 50.341,40.439 58.341,40.439 62.341,40.439 66.341,40.439 70.341,40.439 74.341,40.439 8.341,44.439 12.341,44.439 16.341,44.439 20.341,44.439 28.341,44.439 32.341,44.439 36.341,44.439 40.341,44.439 44.341,44.439 52.341,44.439 56.341,44.439 60.341,44.439 64.341,44.439 68.341,44.439 72.341,44.439 10.341,48.439 14.341,48.439 22.341,48.439 26.341,48.439 30.341,48.439 34.341,48.439 38.341,48.439 42.341,48.439 46.341,48.439 50.341,48.439 58.341,48.439 62.341,48.439 66.341,48.439 70.341,48.439 74.341,48.439 8.341,52.439 12.341,52.439 20.341,52.439 28.341,52.439 32.341,52.439 40.341,52.439 44.341,52.439 48.341,52.439 52.341,52.439 56.341,52.439 60.341,52.439 64.341,52.439 68.341,52.439 72.341,52.439 22.341,56.439 30.341,56.439 34.341,56.439 42.341,56.439 50.341,56.439 54.341,56.439 58.341,56.439 62.341,56.439 66.341,56.439 70.341,56.439 74.341,56.439 8.341,60.439 12.341,60.439 20.341,60.439 28.341,60.439 32.341,60.439 40.341,60.439 44.341,60.439 48.341,60.439 52.341,60.439 56.341,60.439 60.341,60.439 64.341,60.439 68.341,60.439 72.341,60.439 6.341,64.439 14.341,64.439 18.341,64.439 22.341,64.439 38.341,64.439 42.341,64.439 50.341,64.439 54.341,64.439 58.341,64.439 66.341,64.439 70.341,64.439 74.341,64.439 26.2,66.1 22.341,66.5 66.2,69 74.3,69 70.341,69.1 25.8,69.42 22.341,69.5
NetD1_2: D1.2 K1.1 LED2.1 U1.3 | length 10.9
  Top Layer w0.254: U1.3 26.5,22.025 24.9,20.425 LED2.1 26.5,19.625 26.9,19.225 26.9,18.475 D1.2
  Top Layer w0.4: U1.3 27.7,23.225 28,23.525 K1.1
NetD2_2: D2.2 K2.1 LED3.1 U2.3 | length 11.1
  Top Layer w0.254: U2.3@26.55,36.925 U2.3 26.4,36.875 26.4,35.725 24.9,34.225 LED3.1 26.7,33.425 27,33.125 D2.2
  Top Layer w0.4: U2.3@26.55,36.925 27.5,36.925 27.9,37.325 K2.1
NetD3_2: D3.2 K3.1 LED4.1 U3.3 | length 11
  Top Layer w0.254: U3.3@26.65,50.75 U3.3 26.6,49.75 25,48.15 LED4.1 26.7,47.25 27.1,46.85 D3.2
  Top Layer w0.4: U3.3@26.65,50.75 27.5,50.75 27.9,51.15 K3.1
NetLED1_2: LED1.2 R1.1 | length 2
  Top Layer w0.254: LED1.2 1.8,67 1.8,66.4 2.069,66.131 2.069,65.383 R1.1
NetLED2_2: LED2.2 R5.2 | length 1.4
  Top Layer w0.254: R5.2 LED2.2
NetLED3_2: LED3.2 R6.2 | length 1.4
  Top Layer w0.254: R6.2 LED3.2
NetLED4_2: LED4.2 R7.1 | length 1.4
  Top Layer w0.254: R7.1 LED4.2
Nucleo_RST: J1.9 J9.15 K1.4 | length 57.7
  Top Layer w0.254: K1.4 39,22.145 39,16.141 47.781,7.36 55.331,7.36 56.41,8.44 J1.9
  Bottom Layer w0.254: J9.15 25.768,8.158 34.058,8.158 35.209,9.309 35.209,19.609 37.62,22.02 K1.4
Nucleo_SCLK: J1.6 J9.9 K2.4 | length 85.9
  Top Layer w0.254: K2.4 37.62,31.58 40.016,29.184 40.016,16.562 45.87,10.708 62.192,10.708 63.773,9.127 63.773,8.887 J1.6
  Bottom Layer w0.254: J9.9 31.589,6.359 32.88,7.65 34.268,7.65 35.717,9.099 35.717,19.399 38.875,22.557 38.875,24.95 36.36,27.465 36.36,36.065 K2.4
Nucleo_SWDIO: J1.8 J9.7 K2.13 | length 65
  Top Layer w0.254: K2.13 38.645,29.705 39.508,28.842 39.508,16.352 45.66,10.2 58.05,10.2 58.693,9.557 58.693,8.887 J1.8
  Bottom Layer w0.254: J9.7 36.225,8.455 36.225,19.188 39.383,22.346 39.383,25.16 36.868,27.675 36.868,28.953 K2.13
Nucleo_UART_RX: J1.4 J4.1 | length 64.2
  Top Layer w0.254: J4.1 34.158,63.5 34.758,63.5 34.758,61.342 37.931,58.169 44.831,58.169 53.235,49.765 J1.4
Nucleo_UART_TX: J1.3 J3.1 | length 61.1
  Top Layer w0.254: v1(38.4,58.8) 45,58.8 53.743,50.057 53.743,14.472 J1.3
  Bottom Layer w0.254: J3.1 37.8,58.2 v1(38.4,58.8)
Nucleo_Vtarget: J1.5 J9.1 K1.13 | length 46.4
  Top Layer w0.254: K1.13 37.863,15.662 38.761,15.662 47.581,6.842 60.061,6.842 60.1,6.881 65.012,6.881 J1.5@66.57,8.44
  Bottom Layer w0.254: K1.13 36.733,15.018 36.733,9.267 37.675,8.325 38.775,8.325 40.985,6.115 J9.1
OTII_5V: D1.1 D2.1 D3.1 J8.14 J11.1 K1.16 K2.16 K3.16 R1.2 R5.1 R6.1 R7.2 | length 102.5
  Top Layer w0.4: J8.14 3.425,60.519 ; R1.2 3.425,65.073 3.425,60.519 ; J11.1@16.61,68.075 11.735,63.2 6.106,63.2 3.425,60.519 ; v1(23.4,34.8) 23.4,29.582 24.057,28.925 R6.1 ; v1(24.9,13.8) R5.1 28.1,15.125 28.857,15.882 29.977,15.882 K1.16 ; v1(24.9,27.5) R6.1 ; v1(25,41.4) R7.2 28.1,42.75 28.88,43.53 K3.16 ; K2.16 29.877,29.582 28.857,29.582 28.2,28.925 R6.1
  Bottom Layer w0.4: J11.1 16.61,49.79 v1(25,41.4) 25,37.887 24.11,36.997 24.11,35.51 v1(23.4,34.8) ; v1(24.9,13.8) v1(24.9,27.5)
OTII_GPO1: J8.8 R2.2 R3.2 U1.1 U2.1 | length 50
  Top Layer w0.4: J8.8 3.23,50.005 1.85,48.625 1.85,41.7 5.925,37.625 20.8,37.625 ; U1.1 24.295,24.18 23.4,24.18 23.045,23.825 R2.2 20.8,25.225 20.8,37.625 ; U2.1 24.2,37.825 23.4,37.825 23.2,37.625 R3.2 20.8,37.625
OTII_GPO2: J8.7 R4.2 U3.1 | length 19.2
  Top Layer w0.254: R4.2@22.225,51.375 R4.2
  Top Layer w0.4: J8.7 19.455,50.005 20.825,51.375 R4.2@22.225,51.375 ; R4.2 23.019,51.45 23.319,51.75 U3.1
OTII_UART_RX: J4.4 J8.12 | length 28.2
  Top Layer w0.254: J8.12 3.652,55.312 4.571,55.312 5.49,56.231 20.591,56.231 27.138,62.778 J4.4
OTII_UART_TX: J3.4 J8.11 | length 23.4
  Top Layer w0.254: J8.11 6.31,55.085 6.948,55.723 26.083,55.723 27.4,57.04 J3.4
RST: J7.3 K1.8 P1.4 SW1.1 | length 90.1
  Top Layer w0.254: SW1.1@1.5,5.8 1.6,5.9 v1(1.6,7.056) ; J7.3 8.428,13.64 12.092,17.304 12.092,26.292 13.365,27.565 P1.4
  Bottom Layer w0.254: v1(1.6,7.056) 5.556,7.056 8.341,9.841 8.341,12.634 7.335,13.64 J7.3 ; P1.4 14.181,26.969 15.94,25.21 19.092,25.21 26.142,32.26 26.142,36.155 29.329,39.342 44.208,39.342 45.217,38.333 45.217,26.088 K1.8
SWCLK: J7.4 K2.8 P1.3 | length 64
  Top Layer w0.254: J7.4 5.01,14.85 8.92,14.85 11.584,17.514 11.584,26.684 13.735,28.835 P1.3
  Bottom Layer w0.254: P1.3 21.28,28.835 25.126,32.681 25.126,36.576 28.908,40.358 44.66,40.358 47.693,37.325 K2.8
SWDIO: J7.2 K2.9 P1.5 | length 71.9
  Top Layer w0.254: J7.2 5.14,12.44 7.947,12.44 12.6,17.093 12.6,25.9 12.995,26.295 P1.5
  Bottom Layer w0.254: P1.5 19.458,26.295 25.634,32.471 25.634,36.366 29.118,39.85 44.45,39.85 45.725,38.575 45.725,31.05 47.07,29.705 K2.9
UART_RX: J4.2 J4.3 K3.13 | length 26.9
  Top Layer w0.254: J4.3 J4.2 32.291,64.027 32.291,63.091 39.5,55.882 39.5,45.31 K3.13
UART_RX_OUT: J7.6 J10.2 K3.9 P1.1 | length 91.9
  Top Layer w0.254: J7.6 4.946,17.326 10.651,17.326 11.076,17.751 11.076,29.176 13.09,31.19 16.536,31.19 P1.1
  Bottom Layer w0.254: P1.1 18.696,29.4 21.126,29.4 24.618,32.892 24.618,36.786 28.698,40.866 45.216,40.866 K3.9 47.88,49.12 46.192,50.808 46.192,66.308 J10.2
UART_TX: J3.2 J3.3 K3.4 | length 12.3
  Top Layer w0.254: J3.3 J3.2 32.48,55.546 36.876,51.15 K3.4
UART_TX_OUT: J10.1 K3.8 | length 17.5
  Bottom Layer w0.254: J10.1 46.7,67.66 46.7,52.3 47.85,51.15 K3.8
Vtarget: J7.1 K1.9 P1.6 | length 81.4
  Top Layer w0.254: J7.1@6.34,11.48 J7.1 7.325,11.1 13.108,16.883 13.108,24.583 13.55,25.025 P1.6 ; K1.9 K1.9@48.07,15.905
  Bottom Layer w0.254: P1.6 14.504,24.702 19.302,24.702 26.65,32.05 26.65,35.945 29.539,38.834 43.991,38.834 44.709,38.116 44.709,24.491 47.78,21.42 K1.9
pads on no net: *.1 J1.10 J8.1 J8.2 J8.3 J8.4 J8.9 J8.10 J9.2 J9.3 J9.4 J9.5 J9.6 J9.8 J9.10 J9.11 J9.12 J9.13 J9.14 J9.16 J9.17 J9.19 K1.6 K1.11 K2.6 K2.11 K3.6 K3.11 P1.None SW1.2 SW1.4

## Polygon pours and split planes (outlines as drawn)
GND on Bottom Layer "Bottom Layer-GND" (solid, pour order 8): -0.027,1.37 -0.027,69.23 cw(c1.37,69.23) 1.37,70.627 74.43,70.627 cw(c74.43,69.23) 75.827,69.23 75.827,1.37 cw(c74.43,1.37) 74.43,-0.027 1.37,-0.027 cw(c1.37,1.37)
GND on Top Layer "Top Layer-GND" (solid, pour order 7): -0.027,1.37 -0.027,69.23 cw(c1.37,69.23) 1.37,70.627 74.43,70.627 cw(c74.43,69.23) 75.827,69.23 75.827,1.37 cw(c74.43,1.37) 74.43,-0.027 1.37,-0.027 cw(c1.37,1.37)

## Keep-outs
Keep-Out Layer:
  lines w0.254: 72.5,70.5 74.43,70.5 cw(c74.43,69.23) 75.7,69.23 75.7,1.37 cw(c74.43,1.37) 74.43,0.1 1.37,0.1 cw(c1.37,1.37) 0.1,1.37 0.1,69.23 cw(c1.37,69.23) 1.37,70.5 72.8,70.5

## Other copper
Bottom Layer:
  region: -2.7,62.4

## Silkscreen, mask and mechanical layers (free items; w line width, h text height)
Top Overlay:
  text "POWER" at 0.8,68.4 h1.2
  text "IRNAS.eu" at 26.5,68.4 h1.52
  text "STM Nucleo" at 39.2,66.5 h1.2 r270
  text "UART RX" at 27.4,66.3 h1.2
  text "5V" at 15.3,64.7 h1.2
  text "GND" at 18.3,64.7 h1.2
  text "RX" at 43.5,64.6 h1.2
  text "TX" at 46.3,64.6 h1.2
  text "OTII" at 23.725,63.2 h1.2 r270
  text "UART TX" at 27.288,60.2 h1.2
  text "UART LINES" at 19.5,53.3 h1.2 r270
  text "UART TX" at 31.4,53.2 h1
  text "OTII" at 10,52.905 h1.52 r270
  text "RJ-12 to Tag Connect" at 10.6,43 h1 r270
  text "UART RX" at 42.6,40.8 h1
  text "SWCLK" at 31.1,39.327 h1
  text "DATA LINES" at 19.5,38.272 h1.2 r270
  text "STM NUCLEO" at 56.1,28.3 h1.52 r90
  text "SWDIO" at 44.6,26.9 h1
  text "RST" at 31.4,25.587 h1
  text "POWER LINES" at 19.5,24.8 h1.2 r270
  text "IDC to Tag Connect" at 10.5,19.525 h1 r270
  text "Vtarget" at 43.1,13.1 h1
  text "STLINK" at 26.265,9.9 h1.52
  text "RESET" at 4.8,6.5 h1.2 r270
Bottom Overlay:
  text "GND" at 68.5,62.4 h1 r270
  text "GND" at 71.2,62.4 h1 r270
  text "5V" at 11.3,57.1 h1
  text "GND" at 16.4,57.1 h1
  text "RX" at 11.3,54.7 h1
  text "TX" at 16.4,54.7 h1
  text "GPO1" at 11.3,49.6 h1
  text "GPO2" at 16.4,49.6 h1
  text "OTII" at 0.9,48.2 h1 r270
  text "GND" at 11.3,47 h1
  text "GND" at 16.4,47 h1
  text "STM NUCELO" at 73.1,32.9 h1 r270
  text "RX" at 19.801,30.8 h1
  text "GND" at 12.7,29.7 h1
  text "SWCLK" at 22.8,28.3 h1
  text "RST" at 12.7,27.2 h1
  text "SWDIO" at 22.633,25.8 h1
  text "Vtarget" at 12.7,25.6 h1
  text "RJ-12 to TC" at 3,22.9 h1 r270
  text "RX" at 10.101,17.3 h1
  text "GND" at 16.601,15.9 h1
  text "SWCLK" at 13.1,14.4 h1
  text "UART RX" at 52.6,14.1 h1 r270
  text "UART TX" at 55.3,14.1 h1 r270
  text "RST" at 16.601,13.2 h1
  text "SWDIO" at 12.933,11.8 h1
  text "Vtarget" at 20.1,10.5 h1
  text "SWO" at 57.6,10.5 h1 r270
  text "RST" at 59.4,10.5 h1 r270
  text "SWDIO" at 61.1,10.5 h1 r270
  text "GND" at 62.7,10.5 h1 r270
  text "SWCLK" at 64.3,10.5 h1 r270
  text "Vtarget" at 66.17,10.5 h1 r270
  text "IDC to TC" at 0.9,9.4 h1 r270
  text "RST" at 23.3,7.4 h1 r270
  text "SWCLK" at 30.9,7.4 h1 r270
  text "SWDIO" at 33.4,7.4 h1 r270
  text "Vtarget" at 41.2,7.4 h1 r270
  text "GND" at 68.7,5.5 h1 r270
  text "GND" at 71.2,5.5 h1 r270
  text "GND" at 16,1.3 h1 r270
  text "STLINK" at 34.2,0.9 h1